# Altium PCB HallFM2_2.PcbDoc (part 1 of 3) (continued)
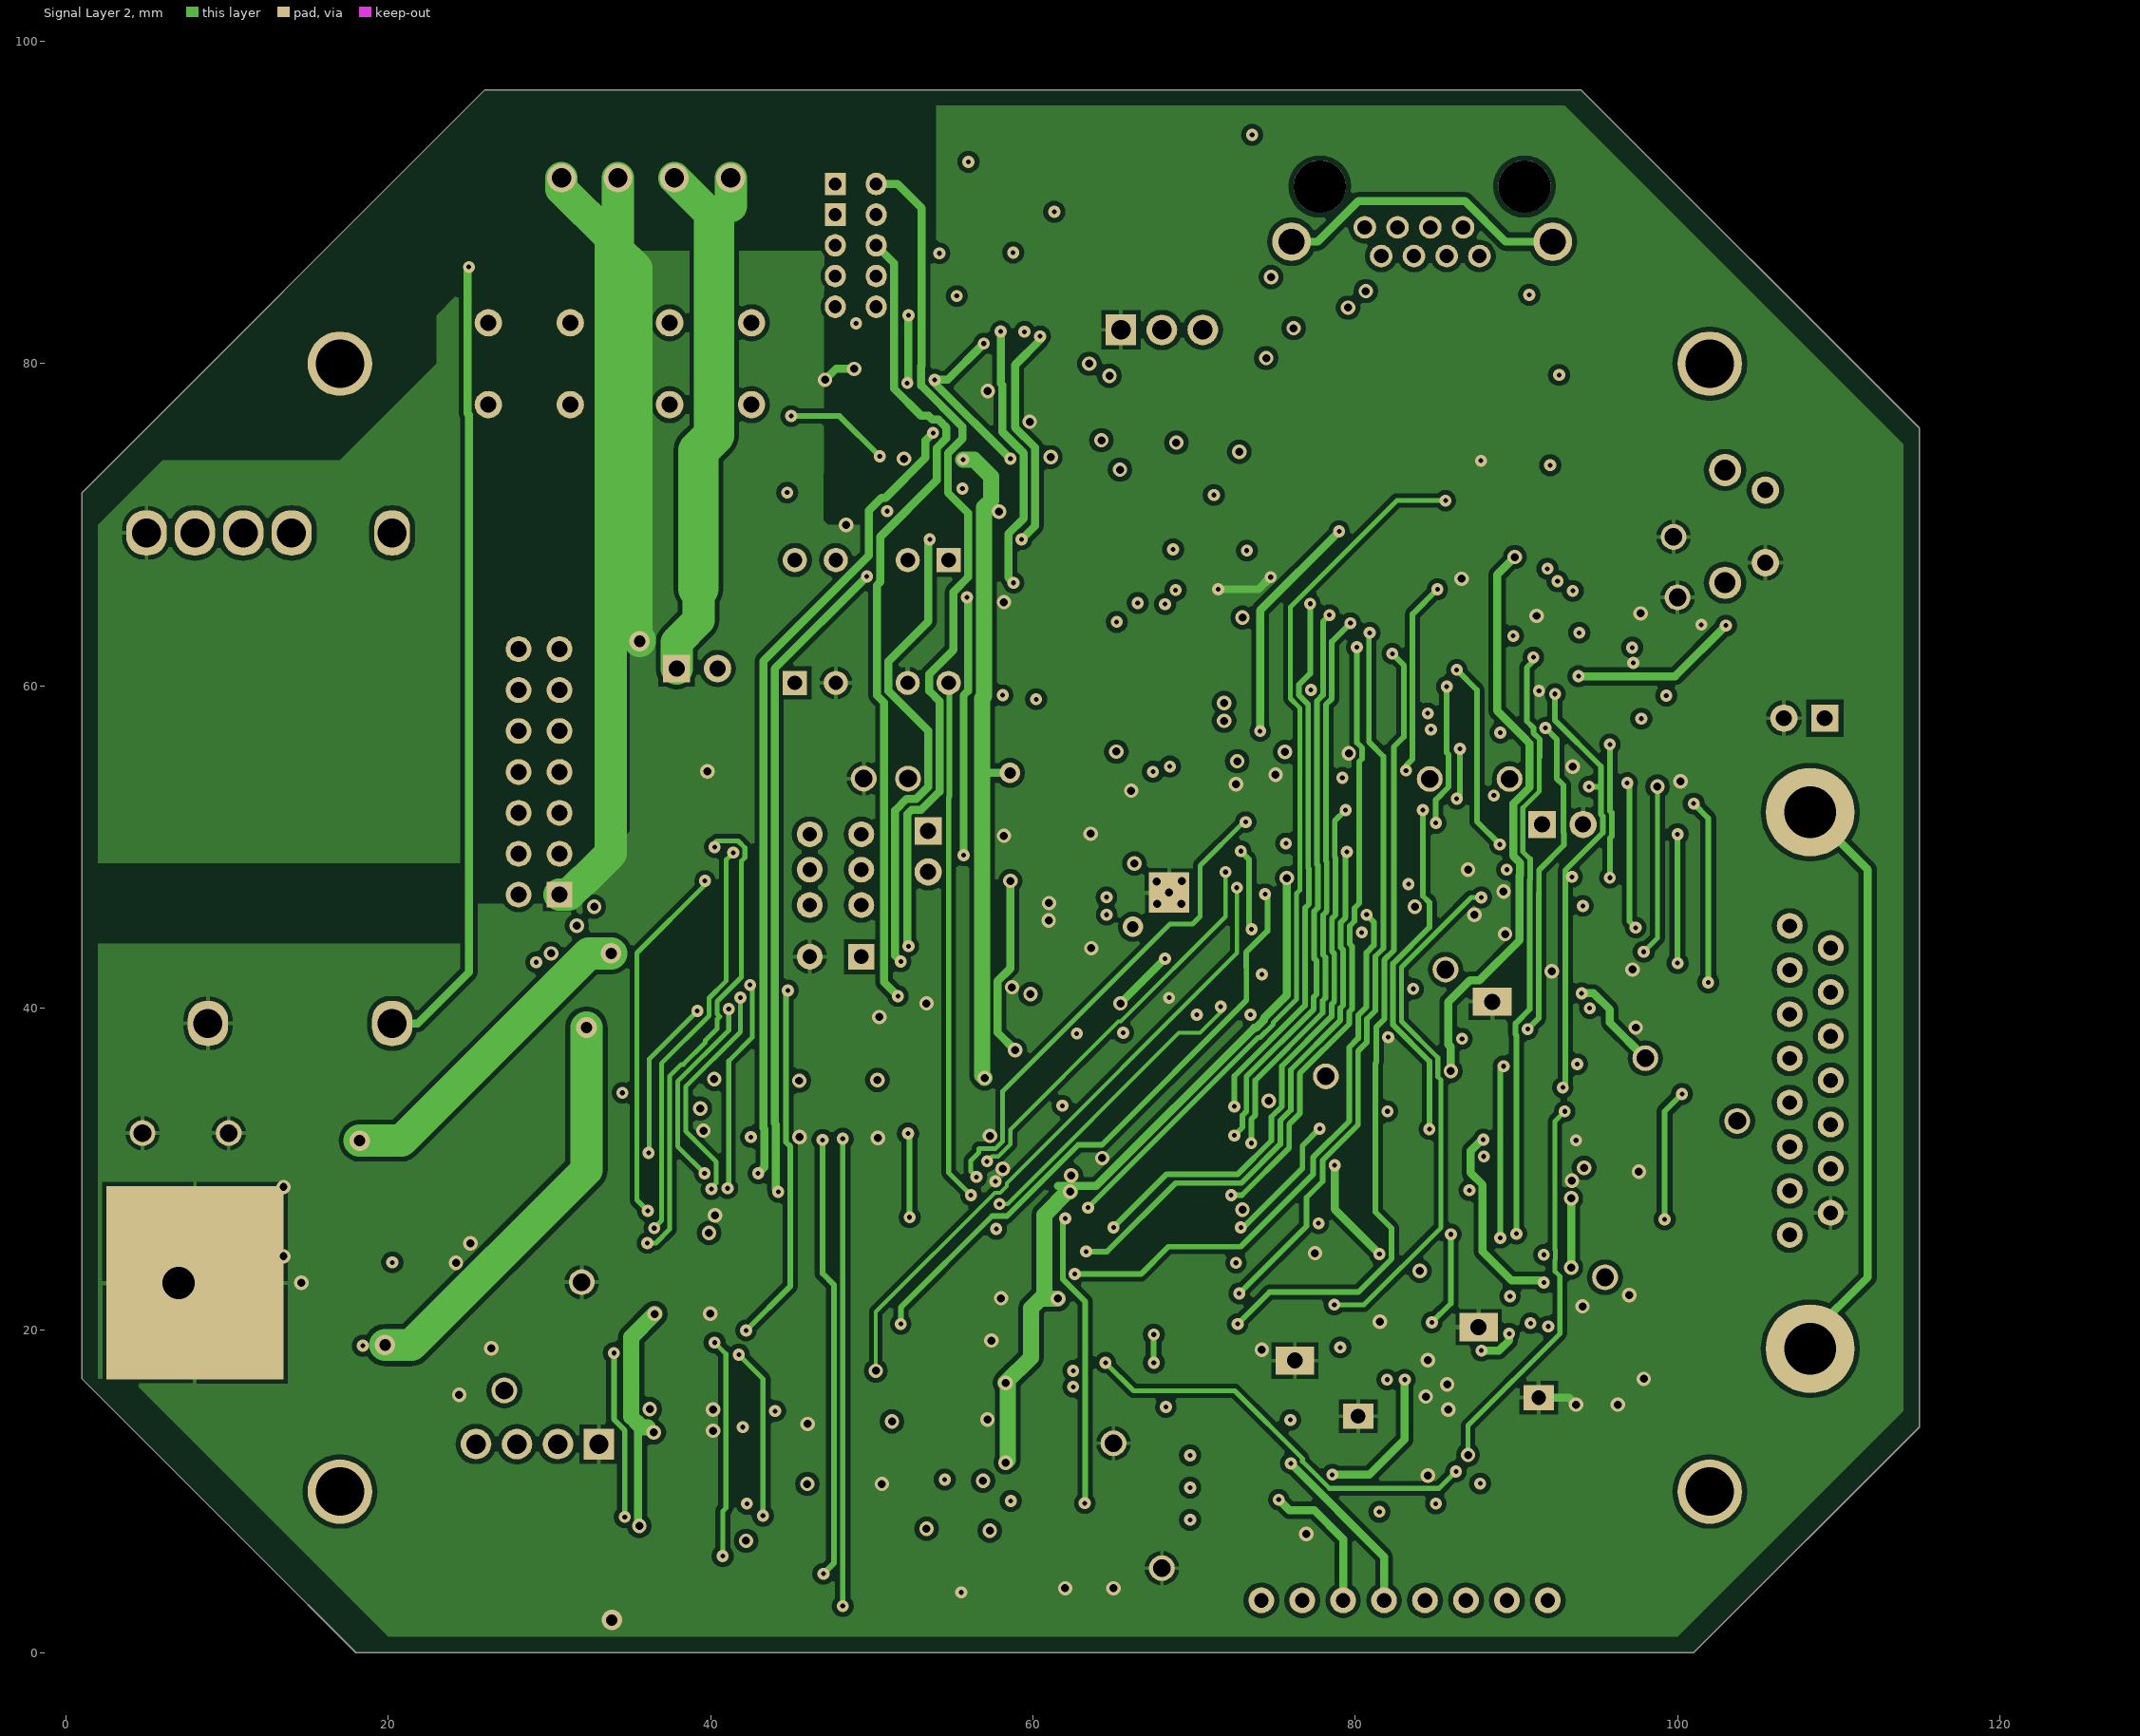
[diagram p3: Signal Layer 2]

## Layer stack, top to bottom
Top Solder: solder mask 0.0102, Solder Resist, Dk 3.5
Top Layer: signal copper 0.0356
Dielectric 3: dielectric 0.254, Dk 4.2
Signal Layer 1: signal copper 0.036
Dielectric 2: dielectric 0.254, Dk 4.2
Signal Layer 2: signal copper 0.036
Dielectric 1: dielectric 0.32, FR-4, Dk 4.8
Bottom Layer: signal copper 0.0356
Bottom Solder: solder mask 0.0102, Solder Resist, Dk 3.5

## Board outline
1,17 12,6 18,0 101,0 115,14 115,76 94,97 26,97 1,72

## Design rules (kind name [scope] priority, off if disabled: settings)
Clearance [All] p1: gap=0.3 ignorepadtopadclearanceinfootprint=FALSE except(0: Arc-Hole Track-Hole THPad-Hole Via-Hole Fill-Hole Poly-Hole Region-Hole Text-Hole; 0.1: Arc-Text Track-Text SMDPad-Text THPad-Text Via-Text Fill-Text Poly-Text Region-Text Text-Text; 0.2: Arc-Arc Arc-Track Arc-SMDPad Arc-THPad Arc-Via Track-Track Track-SMDPad Track-THPad Track-Via SMDPad-SMDPad SMDPad-THPad SMDPad-Via SMDPad-Hole THPad-THPad THPad-Via Via-Via)
DiffPairsRouting [All] p1: maxlimit=3 minlimit=0.2 mostfreqgap=0.25 toplayer_maxgap=0.87 toplayer_minwidth=0.25 toplayer_maxwidth=0.4 toplayer_prefwidth=0.35 midlayer1_maxgap=0.87 midlayer1_minwidth=0.25 midlayer1_maxwidth=0.4 midlayer1_prefwidth=0.35 midlayer2_maxgap=0.87 midlayer2_minwidth=0.25 midlayer2_maxwidth=0.4 midlayer2_prefwidth=0.35 bottomlayer_minwidth=0.2 bottomlayer_maxwidth=0.4 bottomlayer_prefwidth=0.35 maxuncoupledlength=12.7
MatchedLengths "Schematic Matched Net Lengths_3" [InNet('RD_N')] p1: tolerance=2.54 checknetsindiffpair=TRUE checkdiffpairvsdiffpair=FALSE checkxsignals=FALSE checkothers=FALSE
MatchedLengths "Schematic Matched Net Lengths_2" [InNet('RD_P')] p2: tolerance=2.54 checknetsindiffpair=TRUE checkdiffpairvsdiffpair=FALSE checkxsignals=FALSE checkothers=FALSE
MatchedLengths "Schematic Matched Net Lengths_1" [InNet('TD_N')] p3: tolerance=2.54 checknetsindiffpair=TRUE checkdiffpairvsdiffpair=FALSE checkxsignals=FALSE checkothers=FALSE
MatchedLengths "Schematic Matched Net Lengths" [InNet('TD_P')] p4: tolerance=2.54 checknetsindiffpair=TRUE checkdiffpairvsdiffpair=FALSE checkxsignals=FALSE checkothers=FALSE
PolygonConnect [All] p1: thpad.connectstyle=Relief thpad.reliefconductorwidth=0.254 thpad.reliefentries=4 thpad.polygonreliefangle="90 Angle" thpad.airgapwidth=0.254 smdpad.connectstyle=Relief smdpad.reliefconductorwidth=0.254 smdpad.reliefentries=4 smdpad.polygonreliefangle="90 Angle" smdpad.airgapwidth=0.254 via.connectstyle=Direct via.reliefconductorwidth=0.254 via.reliefentries=4 via.polygonreliefangle="90 Angle" via.airgapwidth=0.254
RoutingVias [All] p1: holewidth=0.4 width=0.85 viastyle="Through Hole" minholewidth=0.3 minwidth=0.75 maxholewidth=1 maxwidth=1.5
SilkToSilkClearance [All] p1: silktosilkclearance=0
SilkToSolderMaskClearance [IsPad] p1: minsilkscreentomaskgap=0 clearancetoexposedcopper=TRUE
SolderMaskExpansion [All] p1: expansion=0.102
Width [All] p1: maxlimit=4 minlimit=0.2 preferedwidth=0.5 toplayer_maxwidth=2 toplayer_prefwidth=0.3 midlayer1_maxwidth=2 midlayer1_prefwidth=0.35 midlayer2_minwidth=0.25 midlayer2_prefwidth=0.35 bottomlayer_maxwidth=2 minimp=50.000000 maximp=50.000000 favimp=50.000000
27 further rules are at their usual default settings.

## Classes and differential pairs
component class uC: C16 C18 C19 C67 C68 C69 C70 C71 C72 C73 C74 C75 C76 C77 C78 C79 C80 C81 C82 C83 C84 C85 C86 C87 C88 C89 C90 C91 C92 C93 C94 C95 C96 C97 C98 C99 C100 C101 C102 C103 D2 D3 D4 D5 D7 D8 D9 J10 J15 L12 L13 L14 OSC1 PB1 R11 R51 R52 R53 R54 R55 R56 R57 R58 R59 R60 R61 R62 R63 R64 R65 R66 R67 R68 R69 R70 R71 R73 R74 R75 R76 R77 R81 R82 R83 R84 R85 R86 R87 R88 R89 R90 R91 R92 R93 R94 R95 R97 R98 R99 R100 R101 R102 R103 R104 R105 R106 R107 U13 U14 U15 U16 U17 X1
component class Power: C58 C59 C60 C61 C62 C63 C64 C65 C66 D1 D6 D10 J8 J9 J16 J17 J18 J19 J20 J21 J22 J23 J28 J29 K1 Q1 Q2 Q3 R43 R44 R45 R46 R47 R48 R49 R50 R79 R96 U11 U12
component class main: C56 C57 D11 J4 J5 J6 J7 J12 J13 R39 R40 R41 R42 R78 R80 R108 R109 R110 R111 R112 R113
component class "Current Srcs": C1 C2 C3 C4 C5 C6 C7 C8 C9 C10 C11 C12 C13 C14 C15 C20 C21 C22 C23 C24 J1 J11 J14 L1 L2 L4 R1 R2 R3 R4 R5 R6 R7 R8 R9 R10 R34 R72 U1 U2 U4
component class ADC: C25 C26 C27 C28 C29 C30 C31 C32 C33 C34 C35 C36 C37 C38 C39 C40 C41 C42 C43 C44 C45 C46 C47 C48 C49 C50 C51 C52 C53 C54 C55 D12 D13 J2 J3 J24 J25 J26 J27 L5 L6 L7 L8 L9 L10 L11 R12 R13 R14 R15 R16 R17 R18 R19 R20 R21 R22 R23 R24 R25 R26 R27 R28 R29 R30 R31 R32 R33 R35 R36 R37 R38 U5 U6 U7 U8 U9 U10
differential pair MX3: +MX3_P -MX3_N
differential pair MX1: +MX1_P -MX1_N
differential pair TD: +TD_P -TD_N
differential pair RD: +RD_P -RD_N

## Components (designator, comment, footprint, x,y, rotation, side; value= is the part's Value field where it differs from the comment)
C1 "10uF" SMD0805CAP 89.007,18.582 r270 bottom
C2 "33nF" SMD0805CAP 86.957,18.557 r270 bottom
C3 "33nF" SMD0805CAP 90.873,17.148 r90 bottom
C4 "33nF" SMD0805CAP 96.002,32.402 r270 bottom
C5 "10uF" SMD0805CAP 94.6,28.2 r0 bottom
C6 "33nF" SMD0805CAP 98.398,32.398 r90 bottom
C7 "10uF" SMD0805CAP 100.355,31.605 r90 bottom
C8 "10uF" SMD0805CAP 92.777,21.552 r180 top
C9 "33nF" SMD0805CAP 88.982,15.182 r270 bottom
C10 "10uF" SMD0805CAP 86.957,15.182 r270 bottom
C11 "10uF" SMD0805CAP 95.073,17.148 r90 bottom
C12 "33nF" SMD0805CAP 93.073,17.148 r90 bottom
C13 "10uF" SMD0805CAP 74.173,15.448 r90 bottom
C14 "33nF" SMD0805CAP 78.173,15.548 r90 bottom
C15 "33nF" SMD0805CAP 80.277,21.252 r270 bottom
C16 "33nF" CAPC1608X87N 38.325,32.975 r90 bottom
C17 "33nF" CAPC1608X87N 60.246,29 r0 bottom (schematic designator C104)
C18 "2.2uF" SMD0805CAP 40.723,32.273 r90 bottom
C19 "2.2uF" SMD0805CAP 39.177,15.098 r180 bottom
C20 "10uF" SMD0805CAP 80.073,15.448 r90 bottom
C21 "33nF" SMD0805CAP 79.677,12.952 r270 bottom
C22 "10uF" SMD0805CAP 77.677,12.952 r270 bottom
C23 "10uF" SMD0805CAP 84.477,14.448 r180 bottom
C24 "33nF" SMD0805CAP 83.028,18.078 r90 bottom
C25 "33nF" CAPC1608X87N 92.2,63 r180 bottom
C26 "33nF" CAPC1608X87N 88.58,66.805 r270 bottom
C27 "33nF" SMD0805CAP 80.657,26.953 r180 bottom
C28 "10uF" SMD0805CAP 80.757,28.953 r180 bottom
C29 "33nF" SMD0805CAP 78.678,24.782 r0 bottom
C30 "10uF" SMD0805CAP 82.732,35.652 r180 top
C31 "33nF" CAPC1608X87N 96.325,64.025 r270 bottom
C32 "33nF" SMD0805CAP 88.707,27.623 r180 bottom
C33 "10uF" SMD0805CAP 88.707,29.928 r180 bottom
C34 "33nF" SMD0805CAP 90.882,31.928 r180 bottom
C35 "10uF" SMD0805CAP 86.857,33.757 r270 bottom
C36 "33nF" CAPC1608X87N 87.15,54.325 r0 top
C37 "33nF" CAPC1608X87N 84.555,60.155 r90 bottom
C38 "33nF" CAPC1608X87N 98.35,60.475 r90 top
C39 "33nF" SMD0805CAP 80.478,39.328 r90 bottom
C40 "33nF" CAPC1608X87N 85.85,58.1 r90 top
C41 "33nF" SMD0805CAP 93.253,42.482 r0 bottom
C42 "10uF" SMD0805CAP 93.253,44.607 r0 bottom
C43 "10uF" SMD0805CAP 97.38,40.18 r180 bottom
C44 "33nF" SMD0805CAP 92.957,39.857 r270 bottom
C45 "33nF" CAPC1206 97.755,57.83 r90 bottom
C46 "33nF" SMD0805CAP 83.248,38.098 r90 bottom
C47 "3.3nF" CAPC1608X87N 89.075,61.725 r180 bottom
C48 "3.3nF" CAPC1608X87N 88.605,58.98 r90 bottom
C49 "3.3nF" CAPC1608X87N 92.3,60.7 r0 bottom
C50 "3.3nF" CAPC1608X87N 95.155,61.23 r270 bottom
C51 "3.3nF" CAPC1608X87N 86.6,58.1 r90 bottom
C52 "3.3nF" CAPC1608X87N 90.4,59.5 r270 bottom
C53 "3.3nF" SMD0805CAP 100.177,55.098 r90 top
C54 "3.3nF" SMD0805CAP 93.298,55.723 r90 bottom
C55 "33nF" CAPC1608X87N 91.175,47.425 r0 bottom
C56 "1nF" CAPC1206 99.3,18.925 r0 top
C57 "1nF" CAPC1206 95,83 r90 top
C58 "33nF" CAPC1608X87N 15.995,21.155 r0 bottom
C59 "33nF" CAPC1608X87N 15.995,19.655 r0 bottom
C60 "33nF" CAPC1608X87N 14.35,27.825 r0 bottom
C61 "33nF" CAPC1608X87N 14.35,25.675 r0 bottom
C62 "1uF" SMD0805CAP 14.843,17.657 r0 bottom
C63 "10uF" SMD0805CAP 23.102,16.002 r180 top
C64 "33nF" SMD0805CAP 21.452,30.252 r180 top
C65 "1uF" SMD0805CAP 19.102,27.873 r180 bottom
C66 "33nF" CAPC1608X87N 22.15,24.225 r180 bottom
C67 "33nF" CAPC1608X87N 53.695,74.105 r0 bottom
C68 "33nF" CAPC1608X87N 57.425,74.175 r270 bottom
C69 "33nF" CAPC1608X87N 90,73.975 r0 bottom
C70 "33nF" CAPC1608X87N 56.355,6.045 r180 bottom (schematic designator C105)
C71 "33nF" CAPC1608X87N 61.575,55.125 r270 bottom
C72 "33nF" CAPC1608X87N 58.175,52.575 r90 top
C73 "33nF" CAPC1608X87N 76.055,53.013 r270 bottom
C74 "33nF" CAPC1608X87N 59.57,73.005 r0 bottom
C75 "1uF" CAPC1608X87N 58.225,63.3 r270 top
C76 "33nF" CAPC1608X87N 61.55,57.925 r180 bottom
C77 "33nF" CAPC1608X87N 64.375,49.275 r0 bottom
C78 "33nF" CAPC1608X87N 71.075,50.25 r90 bottom
C79 "10uF" SMD0805CAP 74.023,53.773 r90 bottom
C80 "33nF" CAPC1608X87N 68.2,44.82 r270 bottom
C81 "470pF" CAPC1608X87N 66.475,46.975 r270 bottom
C82 "33nF" CAPC1608X87N 77.775,55.75 r180 bottom
C83 "33nF" CAPC1608X87N 65.4,43.775 r0 bottom
C84 "33nF" CAPC1608X87N 72.175,46.325 r0 bottom
C85 "33nF" CAPC1608X87N 69.55,50.25 r90 bottom
C86 "10uF" SMD0805CAP 70.252,45.277 r270 bottom
C87 "30pF" CAPC1608X87N 62.825,46.7 r180 bottom
C88 "30pF" CAPC1608X87N 62.825,45.05 r180 bottom
C89 "33nF" CAPC1608X87N 50.475,37.575 r270 bottom
C90 "33nF" CAPC1608X87N 38.25,21 r180 bottom
C91 "33nF" CAPC1608X87N 38.25,13.3 r180 bottom
C92 "33nF" CAPC1608X87N 46,12.4 r270 bottom
C93 "33nF" CAPC1608X87N 62.55,30.65 r180 top
C94 "33nF" CAPC1608X87N 38.525,26.5 r270 bottom
C95 "33nF" CAPC1608X87N 59.775,22 r0 bottom
C96 "33nF" CAPC1608X87N 45.5,33.75 r90 bottom
C97 "33nF" CAPC1608X87N 50.5,33.775 r90 bottom
C98 "33nF" CAPC1608X87N 57,33.825 r90 bottom
C99 "33nF" CAPC1608X87N 51,12.225 r90 bottom
C100 "33nF" CAPC1608X87N 57.025,12.625 r270 bottom
C101 "33nF" CAPC1608X87N 59.325,12.625 r270 bottom
C102 "33nF" CAPC1608X87N 59.8,30.3 r0 bottom
C103 "33nF" CAPC1608X87N 57.425,17.55 r270 bottom
D1 "DL4448" DIOMELF3515N 53.55,43.3 r270 top
D2 "IP4220CZ6" SOT95P270X145-6N 57.675,74.525 r270 top
D3 "W02G" RECTRON_RB15 40,80 r0 top
D4 "W02G" RECTRON_RB15 28.75,80 r270 top
D5 "IP4220CZ6" SOT95P270X145-6N 71.275,65.975 r180 bottom
D6 "POK" LED_OSRAM_LGR971 57.475,42.2 r90 top
D7 "OK" LED_OSRAM_LGR971 40.65,2.975 r90 top
D8 "ERR" LED_OSRAM_LOR976 38.813,2.975 r90 top
D9 "ANY" LED_OSRAM_LYR976 36.975,2.975 r90 top
D10 "PEPOK" LED_OSRAM_LGR971 14.475,32.825 r90 top
D11 "H401CHGYAD" H401CHGYAD_LED_CB 49.005,86.393 r270 top value=HGYAD
D12 "IP4220CZ6" SOT95P270X145-6N 80.25,58.5 r270 bottom
D13 "IP4220CZ6" SOT95P270X145-6N 102.25,61 r270 bottom
J1 "PLS2" PLS2 91.6,51.4 r0 top
J2 "PLS1PGA_outP" PLS1 89.575,54.225 r0 top value=PGA_outP
J3 "PLS1PGA_out N" PLS1 84.625,54.225 r0 top value="PGA_out N"
J4 "WF-3R" MOLEX_22-05-7038 68,82.1 r0 top
J5 "Molex_438600010" Molex-43860-0010 80.594,88.46 r270 top locked
J6 "DBR-15F" AMPHENOL_L717DFA15S1ATN 108.23,35.52 r270 top
J7 "15EDGRC-3.5-04P-14" TE_284512-4 36,91.525 r0 top
J8 "PLS2MW_EN" PLS2 53.5,51 r270 top value=MW_EN
J9 "PLS2" PLS2 37.89,61.08 r0 top
J10 "JmpPCB" PCBJumper 72.125,51.625 r90 top
J11 "PLS2" PLS2 109.14,58 r180 top
J12 "WF-4R" MOLEX_WF4-angle 33.065,12.945 r180 top
J13 "IDC14MS" 3M_2514-6002RB 29.355,54.665 r90 top locked
J14 "PLS1" PLS1 103.7,33 r0 top
J15 "PLS8" COMATEL_386.0358.1.08.440 74.17,3.25 r0 top
J16 "PLS1" PLS1 4.75,32.25 r90 top
J17 "PLS1" PLS1 10.1,32.25 r90 top
J18 "PLS1" PLS1 68,5.25 r90 top
J19 "PLS1" PLS1 65,13 r90 top
J20 "PLS1" PLS1 32,23 r180 top
J21 "PLS1" PLS1 100,65.5 r0 top
J22 "PLS1" PLS1 99.75,69.25 r90 top
J23 "PLS1" PLS1 49.5,54.25 r90 top
J24 "PLS1" PLS1 78.175,35.775 r90 top
J25 "PLS1" PLS1 95.5,23.3 r90 top
J26 "PLS1" PLS1 98,36.9 r90 top
J27 "PLS1" PLS1 85.6,42.4 r90 top
J28 "PLS1" PLS1 52.25,54.25 r90 top
J29 "PLS1" PLS1 27.2,16.275 r90 top
K1 "G6J-2P-Y12VDC" REL_OMRON_G6J-2P-Y 47.75,47 r90 top value=12VDC
L1 "BLM211k" RESC2012X50N 95.6,28.2 r0 top value=1k
L2 "BLM211k" RESC2012X50N 96.105,34.83 r180 top value=1k
L3 "BLM211k" RESC2012X50N 83.2,43.9 r90 top value=1k (schematic designator L15)
L4 "BLM211k" RESC2012X50N 83.075,19.45 r270 top value=1k
L5 "BLM211k" RESC2012X50N 76.605,27.43 r270 top value=1k
L6 "BLM211k" RESC2012X50N 79.78,33.552 r0 top value=1k
L7 "BLM211k" RESC2012X50N 83.85,27.4 r0 top value=1k
L8 "BLM211k" RESC2012X50N 88.105,34.805 r180 top value=1k
L9 "BLM211k" RESC2012X50N 74.7,29.4 r270 top value=1k
L10 "BLM211k" RESC2012X50N 83.85,25.1 r0 top value=1k
L11 "BLM211k" RESC2012X50N 91.95,39.85 r270 top value=1k
L12 "BLM211k" RESC2012X50N 58.175,57.575 r270 top value=1k
L13 "BLM211k" RESC2012X50N 59.2,60.425 r0 top value=1k
L14 "BLM211k" RESC2012X50N 59.25,56.925 r90 bottom value=1k
OSC1 "XLH7304.9152MHz" OSC_PERICOM_FRETHE025 90,74 r270 top value=4.9152MHz
PB1 "#NAME?" PB_ALPS_SKHHLQA010 104.2,69.9 r180 top value="Man. Reset"
Q1 "AO3407A" SOT95P229X119-3N 37.85,57.775 r90 top
Q2 "817B" DIP4-300 53.5,64 r270 top
Q3 "817B" DIP4-300 46.5,64 r90 top
R1 "LT5400-6" SOP65P488X110-9N-R178X241 87.655,20.205 r270 top value=-6
R2 "1k" SMD0805RES 100.282,31.053 r90 top
R3 "1k5" SMD0805RES 89.698,11.098 r0 top
R4 "5k1" SMD0805RES 98.428,28.878 r0 top
R5 "27k" SMD0805RES 96.432,13.657 r180 top
R6 "Y1172_200R0000F" SMD0805RES 98.448,47.173 r0 top value=200R0000F
R7 "LT5400-6" SOP65P488X110-9N-R178X241 76.255,18.13 r270 top value=-6
R8 "Y1496_200R0000F" RESC3016X65N 99.35,49.275 r0 top value=200R0000F
R9 "1k5" SMD0805RES 78.398,9.598 r0 top
R10 "27k" SMD0805RES 84.575,12.55 r180 top
R11 "1k" SMD0805RES 54.257,9.102 r180 top
R12 "0" SMD0805RES 80.732,31.457 r180 top
R13 "1k" SMD0805RES 71.152,24.277 r180 top
R14 "5k1" SMD0805RES 84.902,30.302 r180 top
R15 "1k" SMD0805RES 71.152,26.202 r180 top
R16 "1k" SMD0805RES 71.152,33.902 r180 top
R17 "1k" SMD0805RES 71.152,31.977 r180 top
R18 "1k" SMD0805RES 71.152,30.052 r180 top
R19 "0" SMD0805RES 91.227,32.123 r90 top
R20 "1k" SMD0805RES 100.002,38.098 r90 top
R21 "100" SMD0805RES 83.902,72.598 r90 top
R22 "5k1" SMD0805RES 91.227,27.528 r90 top
R23 "1k" SMD0805RES 102.002,38.098 r90 top
R24 "1k" SMD0805RES 71.152,28.127 r180 top
R25 "1k" SMD0805RES 101.807,61.532 r180 top
R26 "1k" SMD0805RES 71.152,20.427 r180 top
R27 "1k" SMD0805RES 71.152,22.352 r180 top
R28 "1k" SMD0805RES 101.907,59.432 r180 top
R29 "1k" SMD0805RES 100.452,45.077 r180 top
R30 "1k" SMD0805RES 88.102,51.302 r180 top
R31 "1k" SMD0805RES 77.152,39.198 r90 top
R32 "1k" SMD0805RES 97.752,55.098 r90 top
R33 "LT5400-7" SOP65P488X110-9N-R178X241 88.505,40.405 r90 top value=-7
R34 "1k" SMD0805RES 89.698,8.998 r0 top
R35 "1k" SMD0805RES 95.827,44.848 r90 top
R36 "1k" SMD0805RES 80.223,51.857 r0 top
R37 "1k" SMD0805RES 80.223,47.815 r0 top
R38 "1k" SMD0805RES 80.223,49.836 r0 top
R39 "27k" SMD0805RES 100.402,22.202 r180 top
R40 "300" RESC1608X64N 73.6,88.775 r270 top
R41 "300" RESC1608X64N 94.225,92.05 r270 top
R42 "27k" SMD0805RES 97.102,87.702 r180 top
R43 "27k" SMD0805RES 21.677,18.748 r90 top
R44 "3k3" SMD0805RES 24.039,20.323 r90 top
R45 "4k7" RESC1608X64N 20.4,28.325 r0 top
R46 "1k5" SMD0805RES 26.398,22.327 r270 top
R47 "1k" SMD0805RES 21.698,25.523 r0 top
R48 "27k" SMD0805RES 35.423,61.252 r270 top
R49 "27k" SMD0805RES 36.823,54.648 r0 top
R50 "4k7" SMD0805RES 45.248,57.102 r270 top
R51 "27k" SMD0805RES 55.898,58.402 r270 top
R52 "100" SMD0805RES 56.102,82.802 r180 top
R53 "100" SMD0805RES 50.898,80.098 r0 top
R54 "0" SMD0805RES 85.802,68.002 r180 top
R55 "0" SMD0805RES 77.202,43.798 r90 top
R56 "1k" SMD0805RES 96.302,72.998 r90 top
R57 "100" SMD0805RES 44.752,73.648 r90 top
R58 "100" SMD0805RES 61.202,76.898 r90 top
R59 "1k5" RESC1608X64N 69.5,16.25 r90 top
R60 "1k5" RESC1608X64N 67.5,16.25 r90 top
R61 ".20k" RESC1608X64N 77.705,52.638 r90 top
R62 ".100k" RESC1608X64N 75.025,49.175 r180 top
R63 "49.9" CAY16x4 71.25,70.05 r90 bottom
R64 "10k" RESC1608X64N 65.925,37.65 r180 top
R65 "1k5" RESC1608X64N 69.075,37.65 r0 top
R66 "10k" CAY16x4 68.025,40.85 r270 top
R67 "33" CAY16x4 61.025,38.825 r0 top
R68 "12k1" RESC1608X64N 66.15,51.65 r270 top
R69 "10k" RESC1608X64N 73.6,92.3 r270 top
R70 "1k5" SMD0805RES 58.657,4.998 r90 top
R71 "1k5" SMD0805RES 52.357,4.998 r90 top
R72 "1k" SMD0805RES 78.398,7.498 r0 top
R73 "10k" SMD0805RES 38.827,7.302 r180 top
R74 "100" SMD0805RES 32.427,16.027 r180 top
R75 "100" SMD0805RES 38.827,9.427 r180 top
R76 "100" SMD0805RES 47.102,7.002 r180 top
R77 "4k7" RESC1608X64N 62,5.75 r270 top
R78 "1k" SMD0805RES 54.098,85.573 r0 top
R79 "10k" SMD0805RES 57.473,46.727 r270 top
R80 "1k" SMD0805RES 54.098,91.123 r0 top
R81 "10k" SMD0805RES 47.102,2.802 r180 top
R82 "10k" SMD0805RES 45.102,4.902 r180 top
R83 "10k" SMD0805RES 34.098,22.327 r270 top
R84 "100" SMD0805RES 36.498,41.823 r0 top
R85 "100" SMD0805RES 26.14,31.677 r270 top
R86 "100" SMD0805RES 36.523,43.948 r0 top
R87 "100" SMD0805RES 38.527,37.777 r180 top
R88 "100" SMD0805RES 23.898,31.677 r270 top
R89 "100" SMD0805RES 30.627,29.673 r90 top
R90 "100" SMD0805RES 36.575,48.025 r0 top
R91 "100" SMD0805RES 38.452,39.802 r180 top
R92 "100" SMD0805RES 36.548,45.998 r0 top
R93 "100" SMD0805RES 28.385,29.673 r90 top
R94 "100" SMD0805RES 36.548,51.973 r0 top
R95 "100" SMD0805RES 36.523,50.048 r0 top
R96 "1k" SMD0805RES 19.152,34.252 r180 top
R97 "4k7" RESC1608X64N 65,5.75 r270 top
R98 "4k7" RESC1608X64N 65,8.75 r90 top
R99 "4k7" RESC1608X64N 61.975,8.75 r90 top
R100 "DNP" RESC1608X64N 70,3.25 r180 top
R101 "DNP" RESC1608X64N 73.5,8.25 r180 top
R102 "DNP" RESC1608X64N 73.5,10.25 r180 top
R103 "DNP" RESC1608X64N 73.5,12.25 r180 top
R104 "DNP" RESC1608X64N 83.25,8.75 r90 top
R105 "DNP" RESC1608X64N 85.75,6.25 r180 top
R106 "DNP" RESC1608X64N 87.75,8.75 r90 top
R107 "DNP" RESC1608X64N 91.25,6.25 r180 top
R108 "1k" SMD0805RES 48.448,39.102 r270 top
R109 "1k" SMD0805RES 61.323,85.927 r270 top
R110 "1k" SMD0805RES 54.098,93.898 r0 top
R111 "1k" SMD0805RES 52.198,39.152 r270 top
R112 "1k" SMD0805RES 54.098,88.348 r0 top
R113 "1k" SMD0805RES 58.798,85.927 r270 top
U1 "ADP7118-5.0-" SOT23-5 96.505,31.805 r0 top value=-5.0-
U2 "LT3042" SOP50P490X110-11N-R157X188 91.38,15.83 r90 top
U3 "AT24C1616M5" SOT23-5 55.5,6.225 r90 top value=16M5 (schematic designator U18)
U4 "LT3042" SOP50P490X110-11N-R157X188 80.18,14.68 r90 top
U5 "ADP7118-5.0-" SOT23-5 79.705,27.955 r90 top value=-5.0-
U6 "#NAME?" SOP65P780X200-28N 91.78,62.98 r0 top
U7 "ADP7118-3.3-" SOT23-5 88.03,30.93 r90 top value=-3.3-
U8 "LTC6655-2.5" SOP65P488X110-8N 95.105,40.13 r90 top value=-2.5
U9 "ADG1609" TSSOP-16 88.35,46.6 r0 top
U10 "ADA4522" SOP65P488X110-8N 80.405,40.43 r90 top
U11 "LMZ12003EXT" "NATIONAL_TO-PMOD-7 (TZA07A)" 12.291,22.955 r180 top
U12 "MYBSP0122BABFT+CB122BABFT" "MURATA_MYBSP0122BABFT_0 - DUPLICATE" 13.82,53.23 r270 top locked value=122BABFT
U13 "STM32F756ZGT6" LQFP-144_STM-M 49,23 r180 top locked
U14 "74HC14D" SOIC127P600X175-14N 50.94,74.7 r270 top
U15 "TPS38083V3" SOT95P270X145-6N 75.055,52.513 r270 top value=3V3